# KiCad board pcb.kicad_pcb (continued)
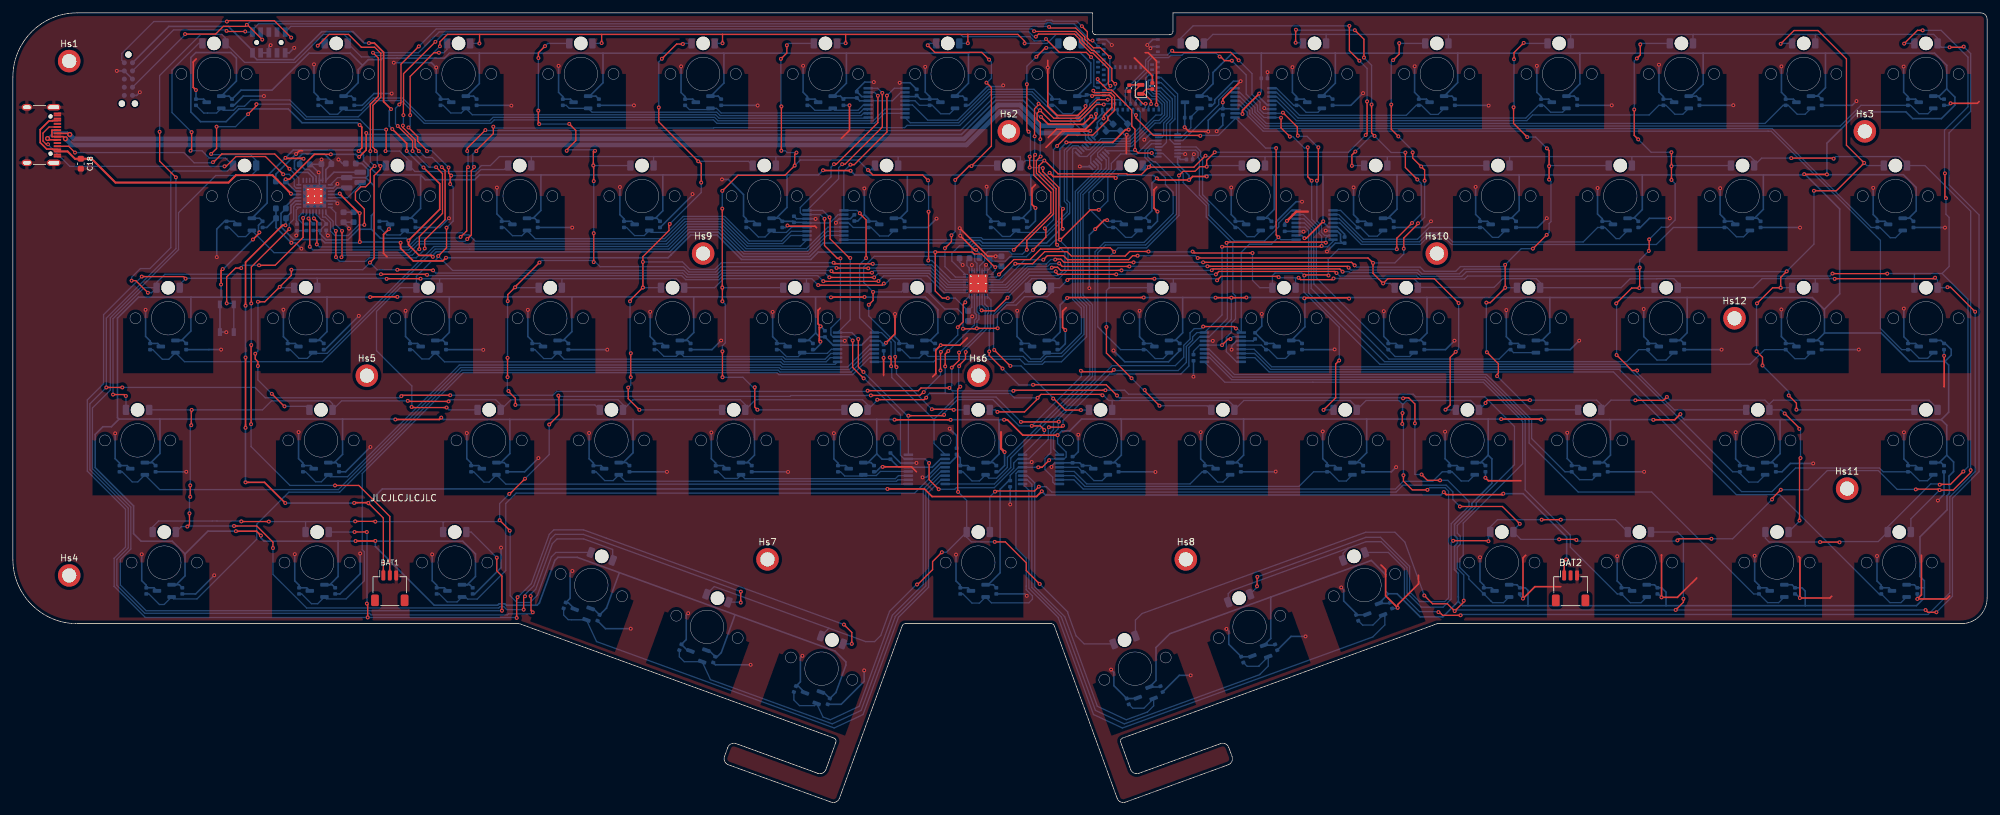
[diagram p0: board, top side]
## Routing (per net, layer and track width the routed paths; a pad name or vN(x,y) marks a point on that pad's centre or on a via; arc(x,y) is an arc through that point) (continued)
/CS8: length 125
  Top w0.2: v1(147.02,67.81) 147.02,67.94 148.01,68.92 148.01,69.97 v1(148.05,70.01) ; v1(147.21,64.62) 146.8,64.21 146.8,48.31 v1(146.86,48.25) ; v1(144.34,38.86) 142.9,37.42 142.9,36.16 140.59,33.85 v1(140.48,33.85) ; v1(152.55,40.48) 154.19,40.48 157.46,37.21 157.46,36.01 v1(159.54,33.93)
  Bottom w0.2: v1(152.55,40.48) 148.93,40.48 148.2,41.21 D65.1 ; LEDDR1.10 151,77.5 151.57,76.93 151.57,76.06 151.46,75.95 151.46,73.74 148.05,70.33 v1(148.05,70.01) ; D64.1 125.58,25.84 126.79,27.05 ; v1(159.54,33.93) 163.9,29.57 163.9,29.42 165.19,25.88 166.46,24.61 D66.1 ; 126.79,27.05 132.5,24.97 133.9,24.97 134.85,25.92 136.21,29.67 140.39,33.85 v1(140.48,33.85) ; 126.79,27.05 108.98,33.53 107.79,32.34 D63.1 ; v1(147.21,64.62) 146.95,64.88 146.95,67.73 v1(147.02,67.81) ; v1(146.86,48.25) 148.2,46.91 D65.1 ; v1(144.34,38.86) 145.05,38.86 D65.1
/CS9: length 187.1
  Top w0.2: v1(79.57,50.3) 77.21,47.94 v1(77.13,47.94) ; v1(56.32,43.63) 56.28,43.67 v1(53.19,43.67) ; v1(39.77,43.64) 35.52,43.64 v1(35.49,43.67) ; v1(133.31,63.26) 140.94,63.26 141.45,63.77 v1(141.53,63.77) ; v1(147.98,77.75) 147.66,77.43 147.66,74.71 v1(146.81,73.86) ; v1(84.76,63.23) 84.85,63.14 84.85,60.25 v1(83.33,58.73) ; v1(75.63,43.85) 77.2,42.28 v1(77.2,42.21) ; v1(144.2,70.04) 144.13,69.97 v1(144.13,67.15)
  Bottom w0.2: 45.5,43.64 v1(39.77,43.64) ; 45.5,43.64 45.48,43.62 D60.1 ; 45.5,43.64 53.16,43.64 v1(53.19,43.67) ; v1(144.2,70.04) 146.81,72.65 v1(146.81,73.86) ; LEDDR1.16 147.98,78.06 v1(147.98,77.75) ; v1(141.53,63.77) 141.53,63.85 144.13,66.45 v1(144.13,67.15) ; v1(35.49,43.67) 35.44,43.72 31.72,43.72 31.71,43.73 31,43.73 30.99,43.72 22.63,43.72 21.73,42.81 D59.1 ; v1(79.57,50.3) 83.33,54.06 v1(83.33,58.73) ; D62.1 84.37,38.84 83.67,38.14 81.5,32.19 80.36,31.05 78.32,31.05 77.27,32.1 77.27,42.14 v1(77.2,42.21) ; D61.1 66.85,43.49 66.99,43.63 ; v1(84.76,63.23) 84.89,63.1 95.89,63.1 95.9,63.11 120.76,63.11 120.89,63.24 132.63,63.24 132.65,63.26 v1(133.31,63.26) ; 66.99,43.63 v1(56.32,43.63) ; 66.99,43.63 75.41,43.63 v1(75.63,43.85) 75.63,46.44 v1(77.13,47.94)
/CS10: length 217.3
  Top w0.2: v1(134.49,81.05) 134.44,81 125.94,81 v1(125.92,81.02) ; v1(15.56,63.39) 17.34,63.39 v1(17.56,63.17) ; v1(27.6,101.31) 27.77,101.48 v1(27.77,104.21) ; v1(20.98,79.23) 19.1,81.11 v1(18.45,81.11) ; v1(57.19,82.11) 64.25,82.11 v1(64.35,82.01)
  Bottom w0.2: v1(64.35,82.01) 64.47,81.89 103.91,81.89 104.54,81.26 109.71,81.26 110.34,81.89 125.05,81.89 v1(125.92,81.02) ; v1(17.56,63.17) 17.57,63.16 D45.1 ; v1(18.45,81.11) 18.45,81.63 19.81,82.99 21.29,82.99 24.54,86.24 24.54,97.78 24.92,98.16 33.35,98.16 D16.1 33.03,100.19 30.51,100.19 29.38,101.31 v1(27.6,101.31) ; LEDDR1.17 144.66,79.26 142.07,81.85 135.29,81.85 v1(134.49,81.05) ; v1(20.98,79.23) 21.55,79.23 D30.1 ; v1(57.19,82.11) 23.62,82.11 22.32,80.81 D30.1 ; D30.1 20.38,80.01 15.56,75.19 v1(15.56,63.39) ; v1(27.77,104.21) 24.72,107.26 24.72,113.86 28.87,118.01 D1.1
/CS11: length 189
  Top w0.2: v1(56.37,101.26) 56.37,101.42 55.94,101.85 55.94,108.39 57.18,109.62 57.18,116.45 56.22,117.41 54.15,117.41 52.15,119.41 49.13,119.41 v1(47.37,117.65) ; v1(42.21,61.56) 42.18,61.56 v1(40.23,63.51) ; v1(65.29,82.71) 65.2,82.8 v1(59.73,82.8) ; v1(55.48,83.92) 56.13,84.57 56.13,97.44 57.11,98.42 v1(57.11,98.93) 57.1,98.93 56.98,98.93 56.8,99.11 ; v1(38.08,77.82) 39.15,77.82 v1(41.46,80.13) 43.27,81.94 v1(43.27,82.81) ; v1(126.86,81.63) 126.88,81.61 v1(133.82,81.61) ; v1(38.07,67.83) 38.07,68.51 37.66,68.92 v1(37.66,69.75)
  Bottom w0.2: v1(59.73,82.8) 56.6,82.8 v1(55.48,83.92) 54.37,82.81 v1(43.27,82.81) ; D17.1 57.18,99.01 v1(57.11,98.93) 56.62,99.42 56.62,101.07 56.44,101.26 v1(56.37,101.26) ; v1(40.23,63.51) 38.07,65.67 v1(38.07,67.83) ; v1(133.82,81.61) 134.46,82.25 142.34,82.25 144.93,79.66 LEDDR1.18 ; D31.1 41.58,80.01 v1(41.46,80.13) ; v1(65.29,82.71) 65.71,82.29 104.08,82.29 104.71,81.66 109.55,81.66 110.18,82.29 126.2,82.29 v1(126.86,81.63) ; v1(42.21,61.56) 45.52,61.56 D46.1 ; v1(38.08,77.82) 38.08,70.17 v1(37.66,69.75) ; v1(47.37,117.65) 47.73,118.01 D2.1
/CS12: length 177.2
  Top w0.2: v1(133.48,82.34) 133.46,82.32 127.45,82.32 v1(127.18,82.59) ; v1(61.95,61.46) 62.04,61.37 v1(67.39,61.37) ; v1(64.35,101.26) 64.35,101.34 62.9,102.79 62.9,103.5 v1(61.46,104.93) ; v1(66.2,116.56) 65.42,116.56 61.73,112.88 v1(61.73,106.85) ; v1(67.38,89.35) 67.38,86.23 v1(66.09,84.94) ; v1(67.7,98.71) 67.7,97.86 v1(68.1,97.46) 67.95,97.31 v1(67.95,96.14)
  Bottom w0.2: v1(67.95,96.14) 68.41,95.68 68.41,90.38 v1(67.38,89.35) ; v1(67.7,98.71) 65.07,101.34 64.44,101.34 v1(64.35,101.26) ; LEDDR1.19 145.1,80.06 142.51,82.65 133.79,82.65 v1(133.48,82.34) ; v1(127.18,82.59) 127.07,82.7 110.02,82.7 109.38,82.06 104.87,82.06 104.23,82.7 68.33,82.7 v1(66.09,84.94) 65.91,84.94 65.91,84.54 65.53,84.16 65.07,84.16 62.7,81.79 D32.1 60.17,80.01 56.5,76.35 56.5,70.22 61.99,64.73 61.99,61.5 v1(61.95,61.46) ; v1(68.1,97.46) 71.8,97.46 72.73,98.39 76.33,98.39 D18.1 ; D47.1 67.75,61.01 v1(67.39,61.37) ; D3.1 67.45,117.07 66.94,116.56 v1(66.2,116.56) ; v1(61.46,104.93) 61.73,105.2 v1(61.73,106.85)
/CS13: length 164.7
  Top w0.2: v1(76.86,69.1) v1(76.86,66.1) ; v1(127.97,83.08) 127.98,83.07 132.87,83.07 v1(132.91,83.03) ; v1(90.25,88.49) v1(90.25,84) ; v1(81.65,115.73) 81.65,116.56 v1(82.68,117.59) ; v1(86.05,101.31) 86.05,101.46 87.47,102.88 87.47,104.47 v1(86.44,105.49) ; v1(78.08,61.78) 78.08,62.8 77,63.88 v1(77,63.94) ; v1(76.89,77.93) 76.89,78.94 v1(78.03,80.08) 78.03,80.14 v1(81.82,83.93) ; v1(90.45,101.31) 90.29,101.31 90.19,101.2 v1(90.19,99.03) 90.25,98.97 v1(90.25,96.59) ; v1(81.64,107.56) 81.64,105.6 v1(81.78,105.46)
  Bottom w0.2: v1(77,63.94) 76.83,64.12 76.83,66.07 v1(76.86,66.1) ; LEDDR1.20 145.28,80.46 142.67,83.07 132.95,83.07 v1(132.91,83.03) ; v1(78.03,80.08) 78.1,80.01 D33.1 ; v1(90.25,88.49) v1(90.25,96.59) ; v1(82.68,117.59) 83.1,118.01 D4.1 ; v1(90.45,101.31) 90.29,101.46 86.21,101.46 v1(86.05,101.31) ; v1(81.64,107.56) 81.65,107.57 v1(81.65,115.73) ; D19.1 90.21,99.01 v1(90.19,99.03) ; v1(81.82,83.93) 82.14,84.25 90,84.25 v1(90.25,84) 90.52,84 91.23,83.28 104.22,83.28 105.04,82.46 109.22,82.46 110.03,83.28 127.77,83.28 v1(127.97,83.08) ; D48.1 90.43,61.78 v1(78.08,61.78) ; v1(86.44,105.49) 86.41,105.46 v1(81.78,105.46) ; v1(76.89,77.93) 76.86,77.9 v1(76.86,69.1)
/CS14: length 145.2
  Top w0.2: v1(127.52,83.9) 127.69,83.73 v1(133.61,83.73) ; v1(95.61,64.48) 95.61,62.75 v1(97.35,61.01) ; v1(96,66.09) 96,69.81 v1(96.01,69.82) ; v1(104.1,117.91) 103.13,117.91 v1(100.84,115.62) ; 95.97,78.12 v1(97.89,80.04) 97.89,84.85 101.94,88.9 101.94,89.8 v1(102.06,89.93) ; v1(100.36,108.06) 100.36,105.8 v1(106.48,99.68) 106.58,99.68 106.95,99.31 v1(106.95,96.36)
  Bottom w0.2: v1(133.61,83.73) 133.75,83.59 142.74,83.59 145.47,80.86 LEDDR1.21 ; v1(100.84,115.62) 100.36,115.14 v1(100.36,108.06) ; v1(102.06,89.93) 106.95,94.81 v1(106.95,96.36) ; D34.1 97.92,80.01 v1(97.89,80.04) ; v1(106.48,99.68) 114.28,99.68 D20.1 ; D5.1 104.2,118.01 v1(104.1,117.91) ; v1(127.52,83.9) 110.09,83.9 109.05,82.86 105.2,82.86 104.04,84.02 v1(97.89,84.02) ; v1(96,66.09) 96,64.87 v1(95.61,64.48) ; v1(95.89,77.91) 95.89,69.94 v1(96.01,69.82) ; D49.1 v1(97.35,61.01)
/CS15: length 143.7
  Top w0.2: v1(110.25,70.11) 110.25,66.09 v1(110.26,66.08) ; v1(121.75,101.03) 121.48,100.76 v1(121.48,99.01) 119.97,97.5 112.65,97.5 v1(110.22,95.07) ; v1(119.41,108.21) 119.41,101.96 119.4,101.95 v1(119.4,101.31) ; v1(110.22,92.31) v1(110.22,80.03) 110.24,80.01 v1(110.24,77.89) ; v1(120.26,117.73) 120.26,116.53 v1(119.33,115.6) ; v1(142.19,96.71) 141.36,97.54 133.64,97.54 v1(132.86,98.32) ; v1(115.69,61.03) 115.27,61.45 v1(115.27,64.53) ; v1(142.28,91.84) 142.28,84.29 v1(142.23,84.24)
  Bottom w0.2: D35.1 110.24,80.01 v1(110.22,80.03) ; v1(110.25,70.11) 110.24,70.12 110.24,70.98 110.69,71.43 110.69,77.44 v1(110.24,77.89) ; LEDDR1.22 145.75,81.26 142.77,84.24 v1(142.23,84.24) ; v1(115.27,64.53) 115.15,64.41 115.1,64.41 113.43,66.08 v1(110.26,66.08) ; D50.1 115.71,61.01 v1(115.69,61.03) ; v1(142.28,91.84) 142.28,96.63 v1(142.19,96.71) ; v1(110.22,95.07) v1(110.22,92.31) ; v1(121.48,99.01) 122.34,99.87 131.31,99.87 v1(132.86,98.32) 133.26,98.32 D21.1 ; v1(121.75,101.03) 120.31,101.03 120.04,101.31 v1(119.4,101.31) ; D6.1 120.54,118.01 v1(120.26,117.73) ; v1(119.33,115.6) 119.33,108.29 v1(119.41,108.21)
/CS16: length 107.2
  Top w0.2: v1(144.82,86.16) 145.83,87.17 v1(145.83,88.17) ; v1(151.68,115.48) 150.55,116.61 143.25,116.61 v1(142.14,117.72) ; v1(133.65,79.36) 133.65,78.02 v1(132.98,77.35) ; v1(137.09,69.26) 137.09,67.86 v1(137.29,67.66) ; v1(146.41,96.77) 148.58,98.94 v1(148.94,98.94) 152.04,102.04 152.04,111.13 v1(151.26,111.91) ; v1(146.2,61.01) 146.1,61.11 v1(142.79,61.11)
  Bottom w0.2: 144.82,84.88 v1(144.82,86.16) ; 144.82,84.88 144.81,84.89 133.85,84.89 132.19,83.23 132.19,80.82 v1(133.65,79.36) 138.05,79.36 D36.1 ; 144.82,84.88 144.82,83.29 146.45,81.66 LEDDR1.23 ; v1(148.94,98.94) 149.01,99.01 D22.1 ; v1(137.09,69.26) 137.09,71.52 132.98,75.63 v1(132.98,77.35) ; v1(145.83,88.17) 146.41,88.75 v1(146.41,96.77) ; v1(137.29,67.66) 137.29,66.61 v1(142.79,61.11) ; D7.1 142.43,118.01 v1(142.14,117.72) ; v1(151.68,115.48) 152.04,115.12 152.04,112.6 151.35,111.91 v1(151.26,111.91) ; D51.1 v1(146.2,61.01)
/CS17: length 119.7
  Top w0.2: v1(154.99,67.85) 154.95,67.85 v1(152.47,70.33) ; v1(160.03,98.62) 160.03,98.08 162.53,95.58 162.53,87.65 v1(162.73,87.45) ; v1(162.73,87.45) 162.6,87.45 162.53,87.39 ; v1(162.73,87.45) 167.4,92.12 v1(168.74,92.12) ; v1(160.56,117.31) 160.4,117.31 v1(159.02,115.93) ; v1(157.98,98.7) 157.98,98.7 v1(157.98,100.4) ; v1(165.95,60.98) 163.51,60.98 161.72,62.77 v1(161.63,62.77) ; v1(157.82,104.27) 157.55,104.54 v1(157.55,111.66)
  Bottom w0.2: v1(159.02,115.93) 157.55,114.46 v1(157.55,111.66) ; v1(160.03,98.62) 159.96,98.69 157.99,98.69 v1(157.98,98.7) ; LEDDR1.24 145.9,84.17 145.9,85.36 147.07,86.53 148.82,86.53 149.24,86.95 150.1,86.95 150.52,86.53 161.08,86.53 162,87.45 v1(162.73,87.45) 162.73,87.32 163.95,86.1 163.95,82.86 162.53,81.43 158.32,81.43 157.7,80.81 D37.1 155.4,77.71 154.26,77.71 152.37,75.82 152.37,70.43 v1(152.47,70.33) ; D23.1 170.13,97.19 170.13,93.51 v1(168.74,92.12) ; v1(160.56,117.31) 161.75,117.31 D8.1 ; v1(161.63,62.77) 161.63,62.86 156.64,67.85 v1(154.99,67.85) ; v1(157.98,100.4) 158.11,100.53 158.11,103.99 v1(157.82,104.27) ; v1(165.95,60.98) 167.17,60.98 D52.1
/GPIO_X: length 163
  Top w0.2: v1(55.54,101.26) 55.54,108.55 55.53,108.56 56.78,109.81 56.78,115.74 v1(55.95,116.56) ; v1(56.21,98.93) 56.13,98.93 55.53,98.33 55.53,96.44 54.8,95.71 54.07,95.71 53.22,94.86 53.22,93.64 54.61,92.25 v1(54.61,89.78) ; v1(170.54,111.41) 170.45,111.41 170.21,111.65 170.21,114.11 167.79,116.52 167.49,116.52 165.75,118.26 165.75,118.66 164.95,119.46 159.35,119.46 v1(158.95,119.06)
  Bottom w0.2: v1(56.21,98.93) 55.54,99.61 v1(55.54,101.26) ; v1(158.95,119.06) 158.6,119.06 157.85,119.81 66.26,119.81 63,116.56 v1(55.95,116.56) ; PMIC1.10 48.12,90.99 48.54,90.99 49.36,90.17 49.36,88.81 50.04,88.13 52.09,88.13 53.75,89.78 v1(54.61,89.78) ; v1(170.54,111.41) 170.54,111.25 170,110.71 MDBT1.38
/INT: length 176.6
  Top w0.2: 51.21,88.78 v1(51.14,88.85) 51.14,84.85 v1(51.05,84.76) ; v1(60.05,108.51) 60.3,108.76 60.3,114.78 v1(63.08,117.55) ; v1(65.75,98.76) 66.75,97.76 66.75,91.57 63.15,87.97 v1(63.15,86.01) ; v1(171.29,111.71) 170.75,112.26 170.75,114.13 167.96,116.92 167.65,116.92 166.15,118.43 166.15,118.83 165.12,119.86 158.72,119.86 v1(158.67,119.91) ; v1(62.1,101.26) 62.1,102.86 v1(59.8,105.16)
  Bottom w0.2: v1(62.1,101.26) 64.6,98.76 v1(65.75,98.76) ; v1(51.14,88.85) 50.16,89.83 50.16,91.68 PMIC1.8 ; v1(158.67,119.91) 158.32,120.26 65.79,120.26 v1(63.08,117.55) ; v1(60.05,108.51) 59.45,107.91 59.45,105.51 v1(59.8,105.16) ; v1(51.05,84.76) 51.35,85.06 62.05,85.06 63,86.01 v1(63.15,86.01) ; MDBT1.36 170.11,109.91 171.29,111.09 v1(171.29,111.71)
/LED_DR_EN: length 46.2
  Top w0.2: v1(160.33,89.24) 160.5,89.07 160.5,87.87 v1(158.5,85.87) ; v1(162.25,102.06) 163.95,103.76 167.81,103.76 170.12,106.07 170.12,106.53 171.18,107.59 171.18,109.76 170.57,110.36 168.05,110.36 167.87,110.54 v1(167.87,110.65)
  Bottom w0.2: LEDDR1.32 151.99,83.24 151.99,84.38 C33.1 152.24,84.14 154.21,84.14 154.89,84.82 157.45,84.82 v1(158.5,85.87) ; v1(160.33,89.24) 161.69,90.6 161.69,101.5 v1(162.25,102.06) ; v1(167.87,110.65) 167.87,110.54 168.1,110.31 MDBT1.37
/LOADSW_CTRL: length 171.2
  Top w0.2: v1(50.2,84.77) 50.18,84.79 v1(50.18,88.85) ; v1(60.6,105.23) 60.6,104.92 62.5,103.03 62.5,101.89 63.07,101.32 v1(63.07,101.26) ; v1(60.68,106.86) 60.68,108.58 60.7,108.6 60.7,113.31 v1(65.65,118.26) ; v1(63.99,86.12) 63.99,87.44 67.15,90.6 67.15,98.26 v1(66.65,98.76) ; v1(167.52,115.87) 166.79,116.61 162.6,116.61 v1(160.52,118.69)
  Bottom w0.2: v1(60.6,105.23) 60.61,105.23 60.68,105.3 v1(60.68,106.86) ; MDBT1.39 168.33,111.11 168.14,111.3 167.95,111.3 167.95,115.45 v1(167.52,115.87) ; PMIC1.9 48.62,91.47 49.76,90.33 49.76,89.27 v1(50.18,88.85) ; v1(63.07,101.26) 63.14,101.26 64.13,100.26 65.15,100.26 v1(66.65,98.76) ; v1(63.99,86.12) 63.99,85.99 62.67,84.66 55.37,84.66 54.82,84.11 50.78,84.11 50.2,84.69 v1(50.2,84.77) 50.17,84.8 ; v1(160.52,118.69) 160.24,118.41 158.68,118.41 158.03,119.06 147.61,119.06 147.26,119.41 66.8,119.41 v1(65.65,118.26)
/MUX_B_1: length 34.6
  Bottom w0.2: MUXB1.8 139.43,105.67 146.96,105.67 151.76,110.47 158.4,110.47 162.51,106.36 164.21,106.36 166.66,103.9 166.66,103.08 MUXA1.14 167.15,102.58
/MUX_B_2: length 49.7
  Bottom w0.2: MUXB2.8 148.57,87.49 148.88,87.8 150.46,87.8 150.74,87.52 160.11,87.52 164.08,91.49 164.08,91.49 164.21,91.62 164.21,93.19 163.78,93.62 163.78,101.22 164.66,102.1 165.51,102.1 166.09,101.52 MUXA1.11
/MUX_B_3: length 64.9
  Bottom w0.2: MUXA1.5 169.11,99.22 169.11,98.46 165.48,94.83 165.48,78.51 166.83,77.17 166.83,72.39 162.93,68.49 160.34,68.49 159.96,68.11 157.24,68.11 156.46,68.89 143.46,68.89 143.05,68.49 MUXB3.8
/MUX_B_4: length 67.8
  Bottom w0.2: MUXB4.8 152.5,49.49 155.05,52.04 155.05,53.52 167.74,66.21 167.74,77.39 166.28,78.85 166.28,94.49 170.27,98.48 170.27,100.19 169.65,100.81 MUXA1.2
/MUX_B_5: length 12.7
  Bottom w0.2: MUXA2.11 181.78,102.9 187.36,108.48 187.36,109.25 189.15,111.04 MUXB5.8
/MUX_B_6: length 31.3
  Bottom w0.2: MUXA2.14 183.79,101.4 184.15,101.04 184.15,100.26 184.35,100.06 184.35,94.41 185.82,92.94 185.82,91.26 189.8,87.28 194.47,87.28 196.69,89.49 196.69,90.07 198.65,92.04 MUXB6.8
/MUX_B_7: length 39.8
  Bottom w0.2: MUXB7.8 190.13,68.49 188.54,70.07 188.54,72.29 189.34,73.09 189.34,74.51 189.97,75.15 189.97,78.73 189.55,79.15 189.55,86.9 185.42,91.03 185.42,92.77 181.83,96.37 181.83,97.73 178.66,100.9 MUXA2.2
/MUX_B_8: length 69.4
  Bottom w0.2: MUXA2.5 176.9,102.4 175.9,101.4 175.9,100.28 179.08,97.1 179.08,96.06 180.28,94.86 180.28,91.58 175.76,87.06 169.59,87.06 168.14,85.61 168.14,65.83 161.68,59.37 161.68,57.91 161.28,57.51 161.28,54.38 160.36,53.46 160.36,51.74 161.57,50.53 161.57,49.79 161.88,49.49 MUXB8.8
/MUXA_SEL: length 22.9
  Top w0.2: v1(176.94,100.96) 174.84,100.96 v1(174.35,101.45) 174.35,104.66 173.85,105.16 173.85,107.63 171.62,109.86 171.62,109.88 170.74,110.76 170.12,110.76 168.55,112.33 v1(168.55,112.46)
  Bottom w0.2: v1(174.35,101.45) 174.2,101.31 170.13,101.31 MUXA1.1 ; v1(168.55,112.46) 168.6,112.41 MDBT1.41 ; v1(176.94,100.96) 176.94,100.87 177.41,100.4 MUXA2.1
/MUXB_SEL_0: length 200.7
  Top w0.2: v1(196.64,87.87) 196.28,88.23 v1(196.28,101.73) ; v1(136.45,67.8) 136.45,67.8 136.45,68.96 v1(136.25,69.17) ; v1(190.04,73.67) 189.74,73.97 v1(184.94,73.97) ; v1(131.59,91.6) 131.59,91.54 132.56,90.57 v1(132.56,84.63) ; v1(174.5,106.86) 174.5,106.41 177.21,103.7 184.44,103.7 v1(184.5,103.64) ; v1(156.63,59.14) 162.48,59.14 v1(162.51,59.17) ; v1(135.81,109.89) 135.81,104.23 130.73,99.15 v1(130.13,99.15)
  Bottom w0.2: MUXB1.1 136.95,111.04 v1(135.81,109.89) ; v1(184.94,73.97) 184.62,73.65 183.56,73.65 182.9,72.99 182.9,72.02 181.93,71.04 181.93,69.21 180.61,67.89 170.8,67.89 162.51,59.61 v1(162.51,59.17) 162.41,59.07 162.41,58.07 161.68,57.34 161.68,54.97 MUXB8.1 ; v1(136.45,67.8) 136.56,67.69 136.56,66.05 142.14,60.46 143.13,59.48 ; 143.13,59.48 143.13,59.57 146.57,63.01 152.76,63.01 v1(156.63,59.14) ; 143.13,59.48 143.13,55.77 MUXB4.1 ; v1(196.28,101.73) 194.64,101.73 MUXB5.1 189.89,106.28 187.31,103.7 184.56,103.7 v1(184.5,103.64) ; v1(131.59,91.6) 131.16,92.04 MUXB2.1 129.11,98.13 v1(130.13,99.15) ; v1(132.56,84.63) 131.56,83.62 131.56,75.34 MUXB3.1 134.96,73.04 136.45,71.55 136.45,69.37 v1(136.25,69.17) ; MUXB6.1 197.03,87.49 v1(196.64,87.87) 195.55,86.78 192.12,86.78 190.86,85.52 MUXB7.1 190.23,73.67 v1(190.04,73.67) ; MDBT1.22 174.05,107.21 174.4,106.86 v1(174.5,106.86)
/MUXB_SEL_1: length 231.1
  Top w0.2: v1(197.04,106.45) 197.04,104.88 v1(198.41,103.51) ; v1(130.11,84.64) 129.95,84.64 126.97,87.62 126.97,90.89 v1(126.89,90.96) ; v1(135.09,110.31) 135.09,105.01 129.3,99.22 v1(128.84,99.22) ; v1(132.16,66.9) 131.36,67.7 v1(131.36,72.03) ; v1(187.5,115.96) 187.63,115.96 188.27,115.32 v1(189.4,115.32) ; v1(144.69,60.24) 144.69,60.22 144.58,60.11 v1(139.14,60.11) ; v1(187.88,86.38) 203.23,86.38 v1(203.35,86.5) ; v1(165.94,67.09) 166.09,66.94 170.76,66.94 v1(171.06,67.24) ; v1(160.26,57.86) 160.26,57.91 159.65,58.52 v1(158.31,58.52) ; v1(201.19,101.85) 201.19,97.26 v1(201.8,96.65)
  Bottom w0.2: v1(126.89,90.96) 125.82,92.04 MUXB2.16 128.3,96.95 128.3,98.68 v1(128.84,99.22) ; v1(197.04,106.45) 197,106.49 MUXB5.16 194.41,106.49 193.38,107.52 193.38,108.37 191.63,110.12 191.63,113.09 v1(189.4,115.32) ; v1(201.19,101.85) 201.07,101.73 200.66,101.73 198.88,103.51 v1(198.41,103.51) ; MUXB1.16 134.37,111.04 v1(135.09,110.31) ; v1(187.5,115.96) 187,116.46 181.92,116.46 181.62,116.16 179.92,116.16 179.56,115.81 177,115.81 176.4,115.21 176.4,113.74 173.65,110.99 MDBT1.23 ; v1(187.88,86.38) 187.88,75.77 MUXB7.16 183.99,73.04 183.3,72.35 183.3,71.85 182.32,70.88 182.32,68.41 181.05,67.13 171.17,67.13 v1(171.06,67.24) ; MUXB4.16 v1(139.14,60.11) 139.14,60.05 139.08,59.99 139.07,59.99 v1(132.16,66.9) ; v1(201.8,96.65) 201.8,90.65 202.93,89.52 202.93,88.46 203.35,88.04 v1(203.35,86.5) 203.48,86.37 204.28,86.37 205.11,87.21 MUXB6.16 ; v1(160.26,57.86) 160.26,57.41 MUXB8.16 ; v1(131.36,72.03) 130.36,73.04 MUXB3.16 130.11,75.01 v1(130.11,84.64) ; v1(165.94,67.09) 166.01,67.02 166.01,66.22 v1(158.31,58.52) 156.35,58.52 152.26,62.61 146.78,62.61 144.69,60.52 v1(144.69,60.24)
/MUXB_SEL_2: length 232.8
  Top w0.2: v1(202.84,101.85) 202.84,96.88 v1(202.61,96.65) ; v1(204,87.02) 203.91,87.1 188.69,87.1 v1(188.58,86.99) ; v1(142.36,52.74) 142.36,50.15 v1(143.85,48.66) ; v1(197.33,107.24) 199.57,105 199.57,103.74 v1(199.66,103.65) ; v1(127.58,99.22) 127.94,99.22 134.4,105.68 v1(134.4,109.87) ; v1(126.11,90.73) 126.11,86.57 128.11,84.57 v1(128.58,84.57) ; v1(190.46,115.38) 189.23,116.61 180.38,116.61 v1(180.12,116.87) ; v1(130.48,71.8) 130.48,67.62 v1(132.19,65.91) ; v1(163.16,58.54) 162.94,58.32 v1(160.97,58.32)
  Bottom w0.2: v1(126.11,90.73) 125.45,91.39 MUXB2.15 122.65,91.39 122.35,91.69 122.35,92.49 127.12,97.26 127.12,98.76 v1(127.58,99.22) ; v1(160.97,58.32) 160.88,58.23 160.88,56.42 157.84,53.39 MUXB8.15 156.15,53.39 155.51,52.74 155.51,51.93 152.48,48.9 146.59,48.9 146.35,48.66 v1(143.85,48.66) ; v1(204,87.02) 204,87.76 204.38,88.14 ; v1(132.19,65.91) 132.28,65.91 137.91,60.28 137.91,53.96 138.48,53.39 MUXB4.15 141.72,53.39 v1(142.36,52.74) ; MUXB1.15 133.88,110.39 v1(134.4,109.87) ; MUXB6.15 204.38,88.14 ; 204.38,88.14 203.82,88.14 203.33,88.62 203.33,89.69 202.61,90.41 v1(202.61,96.65) ; 180.08,116.91 v1(180.12,116.87) 180.06,116.87 179.4,116.21 176.83,116.21 176,115.38 176,113.96 172.85,110.81 MDBT1.25 ; v1(199.66,103.65) 199.75,103.56 201.08,103.56 202.72,101.92 202.72,101.73 v1(202.84,101.85) ; v1(128.58,84.57) 128.58,75.21 127.1,73.73 127.1,72.69 127.4,72.39 MUXB3.15 129.89,72.39 v1(130.48,71.8) ; v1(190.46,115.38) 192.53,113.31 192.53,110.1 193.78,108.85 193.78,107.68 194.33,107.14 MUXB5.15 197.22,107.14 v1(197.33,107.24) ; v1(188.58,86.99) 188.7,86.87 188.7,75.21 185.87,72.39 MUXB7.15 184.4,72.39 182.73,70.71 182.73,67.84 181.48,66.59 170.42,66.59 163.16,59.33 v1(163.16,58.54)